# Altium PCB TI_PCB.PcbDoc
Units mm, origin at the board's own origin, x right, y up, seen from the top; angles counter-clockwise.
Board outline 184 x 161.42 mm, 2 copper layers (Top Layer, Bottom Layer); 95 components, 66 nets, 360 pads, 33 vias.
Unrouted connection lines stored in the file: 76.
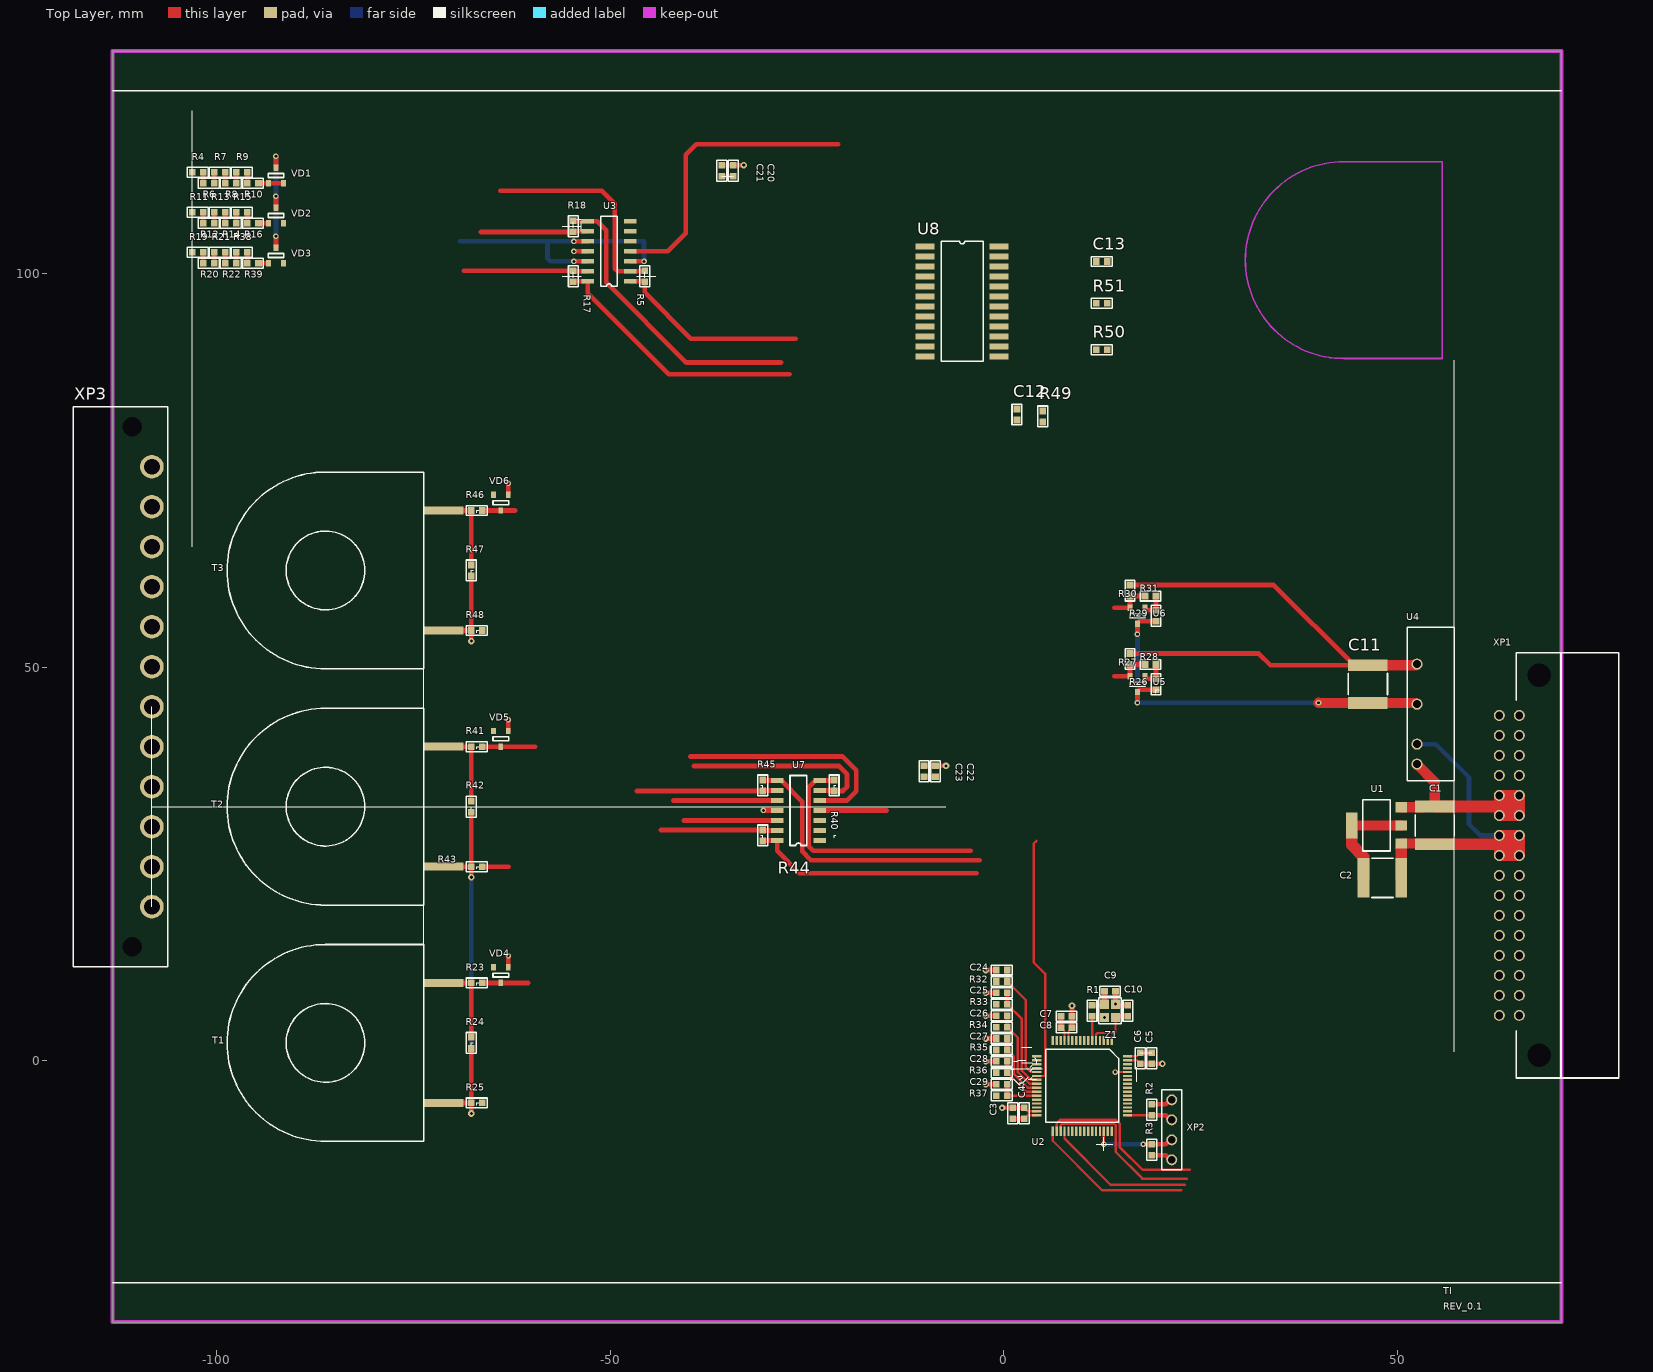
[diagram p0: Top Layer view]
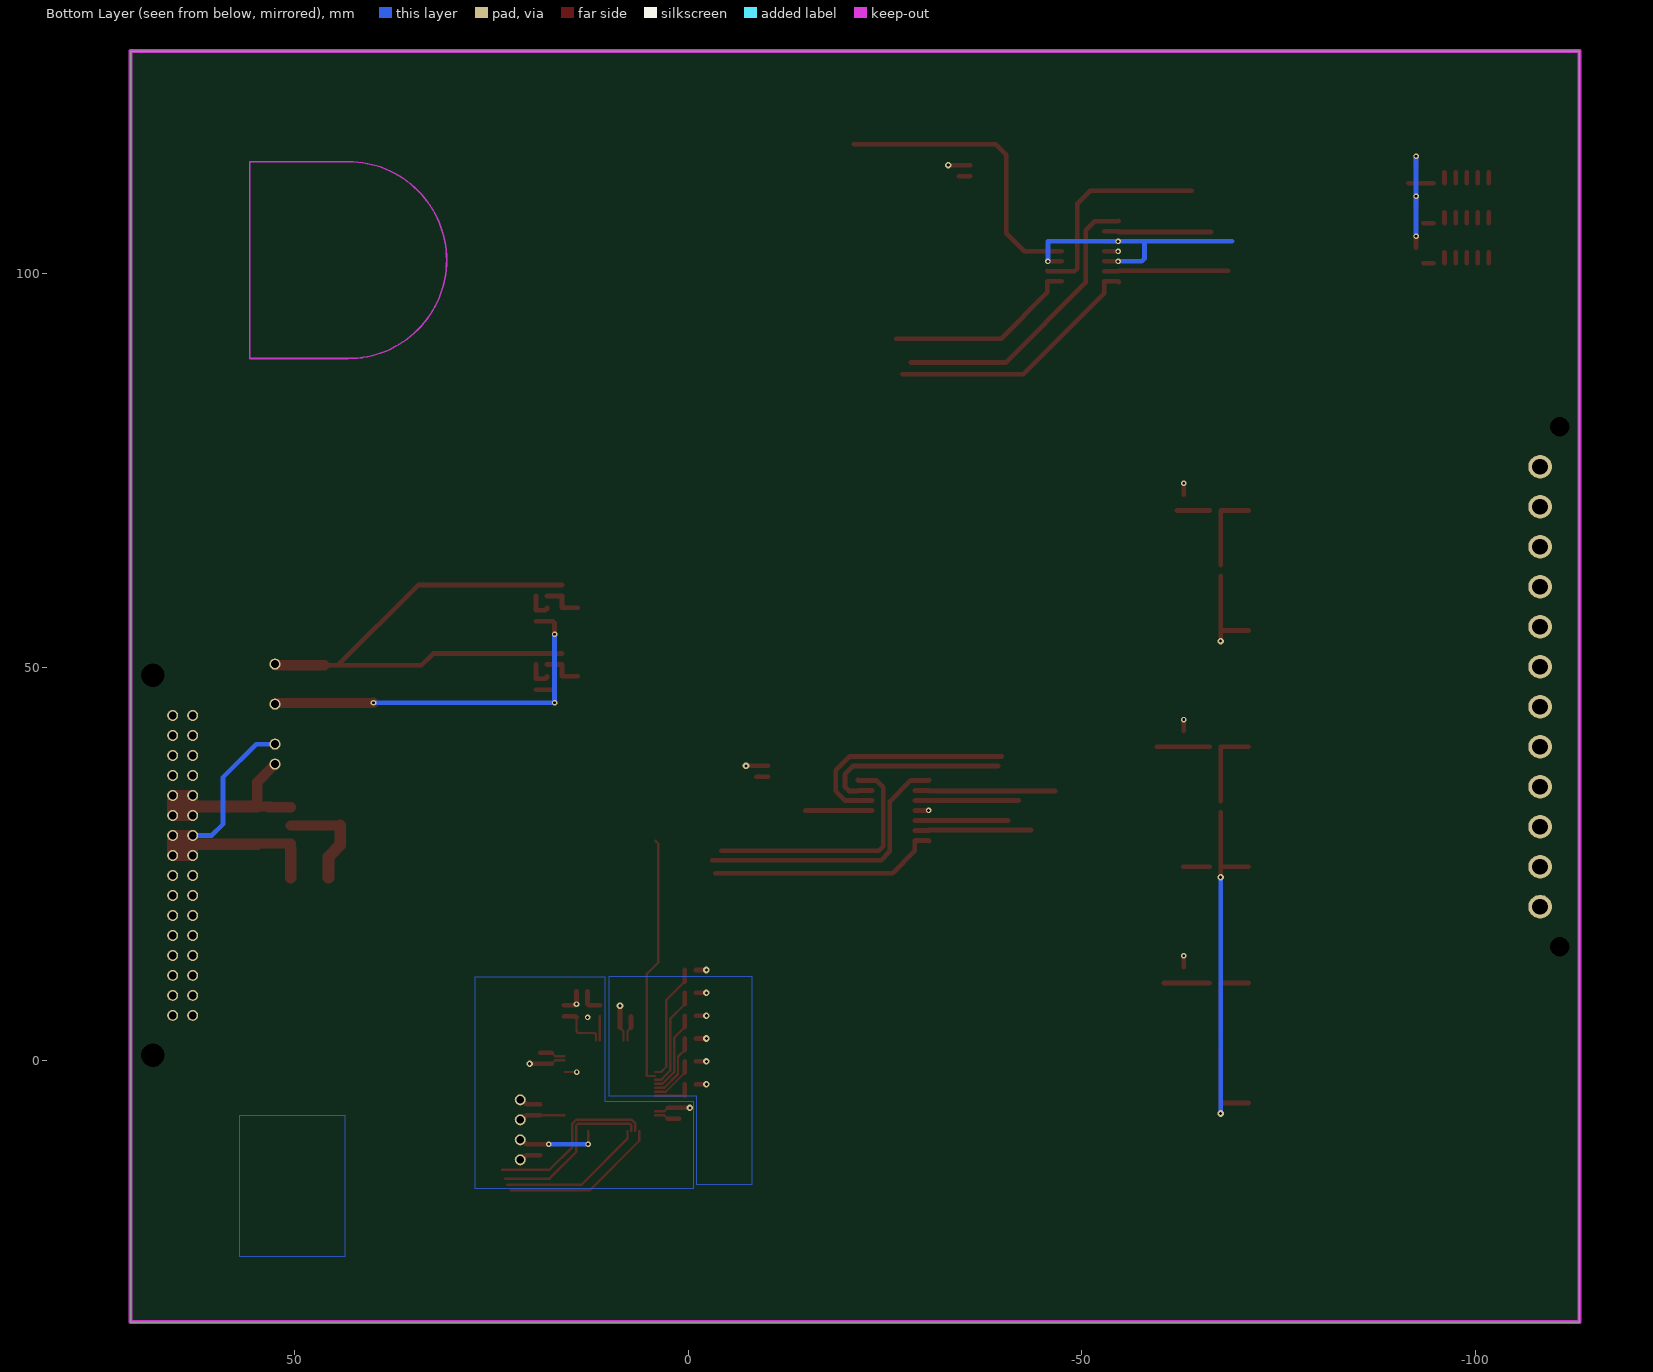
[diagram p1: Bottom Layer view, seen from below]

## Layer stack, top to bottom
Top Solder: solder mask 0.0102, Solder Resist, Dk 3.5
Top Layer: signal copper 0.0356
Dielectric 1: dielectric 0.32, FR-4, Dk 4.8
Bottom Layer: signal copper 0.0356
Bottom Solder: solder mask 0.0102, Solder Resist, Dk 3.5

## Board outline
-113.196,-33.195 -113.196,128.227 70.804,128.227 70.804,-32.045 70.804,-33.195

## Design rules (kind name [scope] priority, off if disabled: settings)
BoardOutlineClearance [All] p1: gap=0.3 ignorepadtopadclearanceinfootprint=FALSE
Clearance Clearance_MultiLayerPad [OnLayer('Multi-Layer') and IsPad] p1: gap=0.2 ignorepadtopadclearanceinfootprint=FALSE except(0: Arc-Hole Track-Hole SMDPad-Hole THPad-Hole Via-Hole Fill-Hole Poly-Hole Region-Hole Text-Hole)
Clearance Clearance_Polygon [InPolygon] p2: gap=0.4 ignorepadtopadclearanceinfootprint=FALSE except(0: Arc-Hole Track-Hole SMDPad-Hole THPad-Hole Via-Hole Fill-Hole Poly-Hole Region-Hole Text-Hole)
Clearance [All] p3: gap=0.2 ignorepadtopadclearanceinfootprint=FALSE
ComponentClearance [All] p1: gap=0 collisioncheckmode=3 verticalgap=0 showdistances=FALSE
DiffPairsRouting [All] p1: maxlimit=0.3 minlimit=0.1 mostfreqgap=0.15 toplayer_minwidth=0.1 toplayer_maxwidth=0.3 toplayer_prefwidth=0.15 bottomlayer_minwidth=0.1 bottomlayer_maxwidth=0.3 bottomlayer_prefwidth=0.15 maxuncoupledlength=12.7
Height [All] p1: minheight=0 maxheight=50 prefheight=12.7
HoleSize [All] p1: absolutevalues=TRUE maxlimit=10 minlimit=0.3 maxpercent=80.000 minpercent=20.000
HoleToHoleClearance [All] p1: gap=0.3 allowstackedmicrovias=TRUE
MinimumSolderMaskSliver [All] p1: minsoldermaskwidth=0.2
PlaneClearance [All] p1: clearance=0.5
PlaneConnect [All] p1: planeconnectstyle=Relief reliefexpansion=0.5 reliefentries=4 reliefconductorwidth=0.2 reliefairgap=0.2
PolygonConnect PolygonConnect_PadGND [InNet('GND') and IsPad] p1: connectstyle=Relief reliefconductorwidth=0.2 reliefentries=4 polygonreliefangle="90 Angle" airgapwidth=0.2
PolygonConnect PolygonConnect_Via [IsVia] p2: connectstyle=Direct reliefconductorwidth=0.254 reliefentries=4 polygonreliefangle="90 Angle" airgapwidth=0.254
PolygonConnect [All] p3: connectstyle=Relief reliefconductorwidth=0.2 reliefentries=4 polygonreliefangle="90 Angle" airgapwidth=0.2
RoutingVias [All] p1: holewidth=0.2 width=0.4 viastyle="Through Hole" minholewidth=0.2 minwidth=0.4 maxholewidth=0.5 maxwidth=1.2
SilkToSolderMaskClearance [IsPad] p1: minsilkscreentomaskgap=0.2 clearancetoexposedcopper=TRUE
SolderMaskExpansion [All] p1: expansion=0.075 istentingtop=FALSE
Width [All] p1: maxlimit=10 minlimit=0.1 preferedwidth=0.1
21 further rules are at their usual default settings.

## Classes and differential pairs
component class U_TI_FREQ: C13 R50 R51 U8
component class U_TI_ADC_CURRENT: C12 R23 R24 R25 R40 R41 R42 R43 R44 R45 R46 R47 R48 R49 T1 T2 T3 U7 VD4 VD5 VD6
component class U_TI_POW: C1 C2 C3 C4 C5 C6 C7 C8 C11 C20 C21 C22 C23 R26 R27 R28 R29 R30 R31 U1 U4 U5 U6 XP1
component class U_TI_MCU: C9 C10 C24 C25 C26 C27 C28 C29 R1 R2 R3 R32 R33 R34 R35 R36 R37 R? U2 XP2 Z1 Z?
component class U_TI_ADC_VOLTAGE: R4 R5 R6 R7 R8 R9 R10 R11 R12 R13 R14 R15 R16 R17 R18 R19 R20 R21 R22 R38 R39 R? U3 VD1 VD2 VD3 XP3

## Components (designator, comment, footprint, x,y, rotation, side; value= is the part's Value field where it differs from the comment)
C1 "Cap_2220" "CAP: 2220" 54.725,27.496 r180 top value=10μF
C2 "Cap_2220" "CAP: 2220" 50.475,23.246 r270 top value=10μF
C3 "Cap_0603" "CAP: 0603" 1.132,-6.673 r270 top value=4.7μF
C4 "Cap_0603" "CAP: 0603" 2.582,-6.673 r270 top value=0.1μF
C5 "Cap_0603" "CAP: 0603" 18.782,0.327 r90 top value=4.7μF
C6 "Cap_0603" "CAP: 0603" 17.332,0.327 r90 top value=0.1μF
C7 "Cap_0603" "CAP: 0603" 7.957,5.652 r180 top value=1μF
C8 "Cap_0603" "CAP: 0603" 7.957,4.202 r180 top value=0.01μF
C9 "Cap_0603" "CAP: 0603" 13.482,8.827 r180 top value=20pF
C10 "Cap_0603" "CAP: 0603" 15.757,6.352 r90 top value=20pF
C11 "Cap_2220" "CAP: 2220" 46.225,50.236 r0 top value=10μF
C12 "Cap_0603" "CAP: 0603" 1.665,82.085 r90 top value=??μF
C13 "Cap_0603" "CAP: 0603" 12.448,101.514 r180 top value=??μF
C20 "Cap_0603" "CAP: 0603" -34.382,113.053 r270 top value=1μF
C21 "Cap_0603" "CAP: 0603" -35.832,113.053 r270 top value=0.01μF
C22 "Cap_0603" "CAP: 0603" -8.69,36.762 r270 top value=1μF
C23 "Cap_0603" "CAP: 0603" -10.14,36.762 r270 top value=0.01μF
C24 "Cap_0603" "CAP: 0603" -0.26,11.527 r0 top value=??μF
C25 "Cap_0603" "CAP: 0603" -0.26,8.627 r0 top value=??μF
C26 "Cap_0603" "CAP: 0603" -0.26,5.727 r0 top value=??μF
C27 "Cap_0603" "CAP: 0603" -0.26,2.827 r0 top value=??μF
C28 "Cap_0603" "CAP: 0603" -0.26,-0.073 r0 top value=??μF
C29 "Cap_0603" "CAP: 0603" -0.26,-2.973 r0 top value=??μF
R1 "Resistor_0603" "RES: 0603" 11.207,6.352 r270 top value=390
R2 "Resistor_0603" "RES: 0603" 18.782,-6.223 r270 top value=10K
R3 "Resistor_0603" "RES: 0603" 18.782,-11.303 r270 top value=10K
R4 "Resistor_0603" "RES: 0603" -102.371,112.838 r0 top value=158K
R5 "Resistor_0603" "RES: 0603" -45.618,99.626 r270 top value=2.49K
R6 "Resistor_0603" "RES: 0603" -100.971,111.438 r0 top value=158K
R7 "Resistor_0603" "RES: 0603" -99.571,112.838 r0 top value=158K
R8 "Resistor_0603" "RES: 0603" -98.171,111.438 r0 top value=158K
R9 "Resistor_0603" "RES: 0603" -96.771,112.838 r0 top value=63.4K
R10 "Resistor_0603" "RES: 0603" -95.371,111.438 r0 top value=63.4K
R11 "Resistor_0603" "RES: 0603" -102.371,107.758 r0 top value=158K
R12 "Resistor_0603" "RES: 0603" -100.971,106.358 r0 top value=158K
R13 "Resistor_0603" "RES: 0603" -99.571,107.758 r0 top value=158K
R14 "Resistor_0603" "RES: 0603" -98.171,106.358 r0 top value=158K
R15 "Resistor_0603" "RES: 0603" -96.771,107.758 r0 top value=63.4K
R16 "Resistor_0603" "RES: 0603" -95.371,106.358 r0 top value=63.4K
R17 "Resistor_0603" "RES: 0603" -54.668,99.626 r270 top value=2.49K
R18 "Resistor_0603" "RES: 0603" -54.668,105.976 r270 top value=2.49K
R19 "Resistor_0603" "RES: 0603" -102.371,102.678 r0 top value=158K
R20 "Resistor_0603" "RES: 0603" -100.971,101.278 r0 top value=158K
R21 "Resistor_0603" "RES: 0603" -99.571,102.678 r0 top value=158K
R22 "Resistor_0603" "RES: 0603" -98.171,101.278 r0 top value=158K
R23 "Resistor_0603" "RES: 0603" -66.928,9.896 r0 top value=330R
R24 "Resistor_0603" "RES: 0603" -67.628,2.276 r90 top value=15R
R25 "Resistor_0603" "RES: 0603" -66.928,-5.344 r0 top value=7.87K
R26 "Resistor_0603" "RES: 0603" 19.325,47.828 r270 top value=3.3K
R27 "Resistor_0603" "RES: 0603" 18.625,50.328 r0 top value=6.2K
R28 "Resistor_0603" "RES: 0603" 16.025,51.028 r90 top value=62R
R29 "Resistor_0603" "RES: 0603" 19.325,56.524 r270 top value=2.7K
R30 "Resistor_0603" "RES: 0603" 18.625,59.024 r0 top value=6.2K
R31 "Resistor_0603" "RES: 0603" 16.025,59.724 r90 top value=62R
R32 "Resistor_0603" "RES: 0603" -0.26,10.077 r0 top value=100R
R33 "Resistor_0603" "RES: 0603" -0.26,7.177 r0 top value=100R
R34 "Resistor_0603" "RES: 0603" -0.26,4.277 r0 top value=100R
R35 "Resistor_0603" "RES: 0603" -0.26,1.377 r0 top value=100R
R36 "Resistor_0603" "RES: 0603" -0.26,-1.523 r0 top value=100R
R37 "Resistor_0603" "RES: 0603" -0.26,-4.423 r0 top value=100R
R38 "Resistor_0603" "RES: 0603" -96.771,102.678 r0 top value=63.4K
R39 "Resistor_0603" "RES: 0603" -95.371,101.278 r0 top value=63.4K
R40 "Resistor_0603" "RES: 0603" -21.564,34.97 r270 top value=60.4K
R41 "Resistor_0603" "RES: 0603" -66.928,39.896 r0 top value=330R
R42 "Resistor_0603" "RES: 0603" -67.628,32.276 r90 top value=15R
R43 "Resistor_0603" "RES: 0603" -66.928,24.656 r0 top value=7.87K
R44 "Resistor_0603" "RES: 0603" -30.614,28.62 r270 top value=60.4K
R45 "Resistor_0603" "RES: 0603" -30.614,34.97 r270 top value=60.4K
R46 "Resistor_0603" "RES: 0603" -66.928,69.896 r0 top value=330R
R47 "Resistor_0603" "RES: 0603" -67.628,62.276 r90 top value=15R
R48 "Resistor_0603" "RES: 0603" -66.928,54.656 r0 top value=7.87K
R49 "Resistor_0603" "RES: 0603" 4.928,81.838 r90 top value=100K
R50 "Resistor_0603" "RES: 0603" 12.448,90.314 r180 top value=430R
R51 "Resistor_0603" "RES: 0603" 12.448,96.214 r180 top value=430R
T1 "AC-1005" AC-1005 -86.153,2.276 r90 top
T2 "AC-1005" AC-1005 -86.153,32.276 r90 top
T3 "AC-1005" AC-1005 -86.153,62.276 r90 top
U1 "MCP600LD1117S33CTR4" SOT-223-3 47.325,29.896 r90 top
U2 "STM32F030R8T6TR" LQFP-64 9.957,-3.173 r270 top
U3 "MCP6004" SOIC-14 -50.143,102.801 r180 top
U4 "AM1D-0505SZ" AM1D-0505SZ 54.22,45.296 r180 top
U5 "TLVH431BIL3T" SOT-23-3 16.975,47.828 r180 top
U6 "TLVH431BIL3T" SOT-23-3 16.975,56.524 r180 top
U7 "MCP6004" SOIC-14 -26.089,31.795 r180 top
U8 "CD74HC4067M96" SOIC-24 -5.297,96.447 r0 top
VD1 "BAV99" SOT-23-3 -92.446,112.438 r0 top
VD2 "BAV99" SOT-23-3 -92.446,107.358 r0 top
VD3 "BAV99" SOT-23-3 -92.446,102.278 r0 top
VD4 "BAV99" SOT-23-3 -63.878,10.896 r180 top
VD5 "BAV99" SOT-23-3 -63.878,40.896 r180 top
VD6 "BAV99" SOT-23-3 -63.878,70.896 r180 top
XP1 "DS1118-32M-R23" DS1118-32M-R23 65.465,5.766 r90 top
XP2 "PLS-6 (DS1021-1x6)" "PLS-4 (DS1021-1x4)" 21.327,-8.763 r0 top
XP3 "PLS-6 (DS1MSTB 2,5/12-GF-5,08021-1x6)" "MSTB 2,5/12-GF-5,08" -112.195,47.516 r0 top
Z1 "ECS-320-10-36B2-CTN-TR" "OSC: 2520" 14.182,5.502 r90 top value=32MHz

## Footprints (in the part's own frame and the unit in brackets; to place one, negate y for a bottom-side part, rotate by r counter-clockwise, add the part's x,y. Pads: shape width x height; smd on the part's side, far side on the other; paste and mask are expansions set on the pad)
AC-1005 [mm] "AC-1005"
  rect 1x5 smd: 1(-7.62,-15) 2(7.62,-15)
  silkscreen extent -12.5,-12.5 12.5,12.5, body extent -11.91,-17.5 11.91,11.93, height 9.8
AM1D-0505SZ [mm] "AM1D-0505SZ"
  round 1.4 hole 1: 1(1.745,7.62) 2(1.745,5.08) 3(1.745,0) 4(1.745,-5.08)
  silkscreen extent -3.01,-9.75 3,9.75, body extent -3.01,-9.75 3.01,9.75, height 10.01
"CAP: 0603" [mm]
  rect 0.85x0.85 smd: 1(-0.7,0) 2(0.7,0)
  silkscreen extent -1.33,-0.63 1.33,0.63, body extent -0.8,-0.4 0.8,0.4, height 0.3
"CAP: 2220" [mm]
  rect 5x1.5 smd: 1(0,0) 2(0,-4.8)
  silkscreen extent -2.5,-3.75 2.5,-1, body extent -2.5,-5.25 2.5,0.45, height 2.3
DS1118-32M-R23 [mm] "DS1118-32M-R23"
  round 1.4 hole 1: 1(0,0) 2(2.54,0) 3(5.08,0) 4(7.62,0) 5(10.16,0) 6(12.7,0) 7(15.24,0) 8(17.78,0) 9(20.32,0) 10(22.86,0) 11(25.4,0) 12(27.94,0) 13(30.48,0) 14(33.02,0) 15(35.56,0) 16(38.1,0) 17(38.1,2.54) 18(35.56,2.54) 19(33.02,2.54) 20(30.48,2.54) 21(27.94,2.54) 22(25.4,2.54) 23(22.86,2.54) 24(20.32,2.54) 25(17.78,2.54) 26(15.24,2.54) 27(12.7,2.54) 28(10.16,2.54) 29(7.62,2.54) 30(5.08,2.54) 31(2.54,2.54) 32(0,2.54)
  round 2 hole 3: ""(-5.08,-2.54) ""(43.18,-2.54)
  silkscreen extent -7.95,-12.64 46.05,0.36, body extent -7.95,-12.64 46.05,2.84, height 6.87
LQFP-64 [mm] "LQFP-64"
  rect 1.2x0.3 smd: 1(-5.75,3.75) 2(-5.75,3.25) 3(-5.75,2.75) 4(-5.75,2.25) 5(-5.75,1.75) 6(-5.75,1.25) 7(-5.75,0.75) 8(-5.75,0.25) 9(-5.75,-0.25) 10(-5.75,-0.75) 11(-5.75,-1.25) 12(-5.75,-1.75) 13(-5.75,-2.25) 14(-5.75,-2.75) 15(-5.75,-3.25) 16(-5.75,-3.75) 33(5.75,-3.75) 34(5.75,-3.25) 35(5.75,-2.75) 36(5.75,-2.25) 37(5.75,-1.75) 38(5.75,-1.25) 39(5.75,-0.75) 40(5.75,-0.25) 41(5.75,0.25) 42(5.75,0.75) 43(5.75,1.25) 44(5.75,1.75) 45(5.75,2.25) 46(5.75,2.75) 47(5.75,3.25) 48(5.75,3.75)
  rect 0.3x1.2 smd: 17(-3.75,-5.75) 18(-3.25,-5.75) 19(-2.75,-5.75) 20(-2.25,-5.75) 21(-1.75,-5.75) 22(-1.25,-5.75) 23(-0.75,-5.75) 24(-0.25,-5.75) 25(0.25,-5.75) 26(0.75,-5.75) 27(1.25,-5.75) 28(1.75,-5.75) 29(2.25,-5.75) 30(2.75,-5.75) 31(3.25,-5.75) 32(3.75,-5.75) 49(3.75,5.75) 50(3.25,5.75) 51(2.75,5.75) 52(2.25,5.75) 53(1.75,5.75) 54(1.25,5.75) 55(0.75,5.75) 56(0.25,5.75) 57(-0.25,5.75) 58(-0.75,5.75) 59(-1.25,5.75) 60(-1.75,5.75) 61(-2.25,5.75) 62(-2.75,5.75) 63(-3.25,5.75) 64(-3.75,5.75)
  silkscreen extent -4.61,-4.61 4.61,4.61, body extent -6,-6 6,6, height 1.61
"MSTB 2,5/12-GF-5,08" [mm] "MSTB 2,5/12-GF-5,08"
  round 3 hole 2: 1(3.999,27.94) 2(3.999,22.86) 3(3.999,17.78) 4(3.999,12.7) 5(3.999,7.62) 6(3.999,2.54) 7(3.999,-2.54) 8(3.999,-7.62) 9(3.999,-12.7) 10(3.999,-17.78) 11(3.999,-22.86) 12(3.999,-27.94)
  round 0 hole 2.5: ""(1.499,-33.02) ""(1.499,33.02)
  silkscreen extent -6,-35.56 6,35.56, body extent -6,-35.56 6,35.56, height 9.11
"OSC: 2520" [mm]
  rect 1.2x1.1 smd: 1(0,0) 2(1.7,0) 3(1.7,1.4) 4(0,1.4)
  round 0.5 on Mech1: 5(-0.075,0.025)
  round 0.5 on Top Overlay: ""(-1.275,-0.6)
  silkscreen extent -0.8,-0.75 2.5,2.15, body extent -0.45,-0.35 2.15,1.75, height 0.55
"PLS-4 (DS1021-1x4)" [mm] "PLS-4 (DS1021-1x4)"
  round 1.4 hole 1: 1(0,3.81) 2(0,1.27) 3(0,-1.27) 4(0,-3.81)
  silkscreen extent -1.27,-5.08 1.27,5.08, body extent -1.27,-5.08 1.27,5.08, height 8.61
"RES: 0603" [mm]
  rect 0.85x0.85 smd: 1(-0.7,0) 2(0.7,0)
  silkscreen extent -1.33,-0.63 1.33,0.63, body extent -0.8,-0.4 0.8,0.4, height 0.44
SOIC-14 [mm] "SOIC-14"
  rect 1.6x0.6 smd: 1(-2.7,3.81) 2(-2.7,2.54) 3(-2.7,1.27) 4(-2.7,0) 5(-2.7,-1.27) 6(-2.7,-2.54) 7(-2.7,-3.81) 8(2.7,-3.81) 9(2.7,-2.54) 10(2.7,-1.27) 11(2.7,0) 12(2.7,1.27) 13(2.7,2.54) 14(2.7,3.81)
  silkscreen extent -1.07,-4.44 1.07,4.44, body extent -3,-4.33 3,4.33, height 1.75
SOIC-24 [mm] "SOIC-24"
  rect 2.4x0.8 smd: 1(-4.7,6.985) 2(-4.7,5.715) 3(-4.7,4.445) 4(-4.7,3.175) 5(-4.7,1.905) 6(-4.7,0.635) 7(-4.7,-0.635) 8(-4.7,-1.905) 9(-4.7,-3.175) 10(-4.7,-4.445) 11(-4.7,-5.715) 12(-4.7,-6.985) 13(4.7,-6.985) 14(4.7,-5.715) 15(4.7,-4.445) 16(4.7,-3.175) 17(4.7,-1.905) 18(4.7,-0.635) 19(4.7,0.635) 20(4.7,1.905) 21(4.7,3.175) 22(4.7,4.445) 23(4.7,5.715) 24(4.7,6.985)
  silkscreen extent -2.67,-7.62 2.66,7.62, body extent -5.15,-7.7 5.15,7.7, height 2.66
SOT-23-3 [mm] "SOT-23-3"
  rect 0.6x0.8 smd: 1(-0.95,-1) 2(0.95,-1) 3(0,1)
  silkscreen extent -1,-0.25 1,0.25, body extent -1.45,-1.25 1.45,1.15, height 0.96
SOT-223-3 [mm] "SOT-223-3"
  rect 1.3x1.5 smd: 1(-2.3,-3.15) 2(0,-3.15) 3(2.3,-3.15)
  rect 3.3x1.5 smd: 4(0,3.15)
  silkscreen extent -3.25,-1.75 3.25,1.75, body extent -3.25,-3.5 3.25,3.5, height 1.81

## Part data
C1 C2 C11: Package/Case=2220, Temperature=-55...+125°C(-55...+85°C), TypeDielectric=X7R(X5R), Voltage=16V, Product Category=Capacitors
C3 C5: Package/Case=0603, Temperature=-55...+125°C(-55...+85°C), TypeDielectric=X7R(X5R), Voltage=25V, Product Category=Capacitors
C4 C6 C7 C20 C22: Package/Case=0603, Temperature=-55...+125°C(-55...+85°C), TypeDielectric=X7R(X5R), Voltage=16V, Product Category=Capacitors
C8 C9 C10 C21 C23: Package/Case=0603, Temperature=-55...+125°C(-55...+85°C), TypeDielectric=X7R(X5R), Voltage=50V, Product Category=Capacitors
C12 C13 C24 C25 C26 C27 C28 C29: Package/Case=0603, Temperature=-55...+125°C(-55...+85°C), TypeDielectric=X7R(X5R), Voltage=??V, Product Category=Capacitors
R1 R2 R3: Package/Case=0603, Power=0.1W, Temperature=-55...+125°C, Tolerance=±1%, Product Category=Resistors
R4 R5 R6 R7 R8 R9 R10 R11 R12 R13 R14 R15 R16 R17 R18 R19 R20 R21 R22 R23 R24 R25 R26 R27 R28 R29 R30 R31 R32 R33 R34 R35 R36 R37 R38 R39 R40 R41 R42 R43 R44 R45 R46 R47 R48 R49 R50 R51: Package/Case=0603, Power=0.1W, Temperature=-55...+125°C, Tolerance=±5%, Product Category=Resistors
T1 T2 T3: "Current Transformer, primary current: 5A", Manufacturer=Talema, Analogue=CST-1005(https://eu.mouser.com/datasheet/2/410/CST_1005-1892657.pdf), Datasheet=https://static.chipdip.ru/lib/884/DOC003884697.pdf, HelpURL=https://www.chipdip.ru/product/ac-1005, Product Category="Current Transformers"
U1: library part LD1117S33CTR, "LDO Voltage Regulator 3.3V 0.8A Positive", Manufacturer=STMicroelectronics, Package/Case=SOT-223-3, Datasheet=https://eu.mouser.com/datasheet/2/389/cd00000544-1795431.pdf, HelpURL=https://eu.mouser.com/ProductDetail/STMicroelectronics/LD1117S33CTR?qs=8u%2FLf1IQwKF9meFZLHfRog%3D%3D, Product Category="Voltage Regulators"
U2: "MCU Mainstream Arm Cortex-M0 Value line MCU 64 Kbytes of Flash , 48 MHz CPU", Manufacturer=STMicroelectronics, Package/Case=LQFP-64, Datasheet=https://www.st.com/resource/en/datasheet/stm32f030r8.pdf, HelpURL=https://eu.mouser.com/ProductDetail/STMicroelectronics/STM32F030R8T6TR?qs=s5SkPsIz10%252B%252B1w15QiyTpQ%3D%3D, Product Category=Microcontrollers
U3 U7: "1 MHz, Low-Power Op Amp", Manufacturer=Microchip, Package/Case=SOIC-14, Datasheet=https://eu.mouser.com/ProductDetail/Microchip-Technology-Atmel/MCP6004-I-SL?qs=n%2FfJlMG9rCZ2%2F%2FCryvZ52w%3D%3D, HelpURL=https://eu.mouser.com/ProductDetail/Microchip-Technology-Atmel/MCP6004-I-SL?qs=n%2FfJlMG9rCZ2%2F%2FCryvZ52w%3D%3D, Product Category="Operational Amplifiers"
U4: "DC-DC, 5V, 0.2A", Manufacturer=Aimtec, Package/Case=SIP, Datasheet=https://static.chipdip.ru/lib/744/DOC014744931.pdf, HelpURL=https://www.chipdip.by/product/am1d-0505sz, Product Category="Voltage Regulators"
U5 U6: "Voltage References 1.24V to 18V Prog Shunt Ref 100uA 60mA", Manufacturer=STMicroelectronics, Package/Case=SOT-23, Datasheet=https://eu.mouser.com/datasheet/2/389/dm00057412-1797844.pdf, HelpURL=https://eu.mouser.com/ProductDetail/STMicroelectronics/TLVH431BIL3T?qs=NC%2FuX8ipg1S4rbg4USQCPA%3D%3D, Product Category="Voltage References"
U8: "1 MHz, Low-Power Op Amp", Manufacturer="Texas Instruments", Package/Case=SOIC-24, Datasheet=https://www.ti.com/general/docs/suppproductinfo.tsp?distId=26&gotoUrl=https://www.ti.com/lit/gpn/cd74hct4067, HelpURL=https://eu.mouser.com/ProductDetail/Texas-Instruments/CD74HC4067M96?qs=xFfolx0DHx0XT7d9xTTZBA%3D%3D, Product Category=Multiplexers
VD1 VD2 VD3 VD4 VD5 VD6: "High-speed switching diode", Manufacturer=Nexperia, Package/Case=SOT-23, Datasheet=https://eu.mouser.com/datasheet/2/916/BAV99_SER-1370693.pdf, HelpURL=https://eu.mouser.com/ProductDetail/Nexperia/BAV99235?qs=me8TqzrmIYWUP4h8SbZlfQ%3D%3D, Product Category=Diodes
XP1: "DIN 41612 Connector", Manufacturer=Connfly, Analogue="HARTING 09221326951(https://eu.mouser.com/ProductDetail/HARTING/09221326951?qs=Afqhj6cPmO9f0oVZo6yWiA%3D%3D)", Datasheet=http://en.connfly.group/static/upload/file/pdf/DS1118.pdf, HelpURL=https://www.chipdip.by/product/din41612r-ds1118-32m-r23, Product Category=Connectors
XP2: library part "PLS-4 (DS1021-1x4)", "Board to Board, Surface Mount, Single row, 6 Positions, 2.54mm, Vertical.", Manufacturer=Connfly, Datasheet=https://static.chipdip.ru/lib/977/DOC005977245.pdf, HelpURL=https://www.chipdip.by/product/pls-4, Product Category=Connectors
XP3: library part "MSTB 2,5/12-GF-5,08", "Surface Mount, Single row, 12 Positions, 5.08mm", Manufacturer="Phoenix contact", Datasheet=https://www.phoenixcontact.com/ru-pc/produkty/korpusnaa-cast-dla-pecatnyh-plat-mstb-25-12-gf-508-1776605, HelpURL=https://www.phoenixcontact.com/ru-pc/produkty/korpusnaa-cast-dla-pecatnyh-plat-mstb-25-12-gf-508-1776605, Product Category=Connectors
Z1: "Crystal 32.000 MHz 10 pF +/-10 +/-20 -40 +85 C +/-2 ppm Max.", Manufacturer=ECS, Package/Case=2520, Temperature=-40...+85°C, Datasheet=https://eu.mouser.com/datasheet/2/122/ECX_2236B2-2400583.pdf, HelpURL=https://eu.mouser.com/ProductDetail/ECS/ECS-320-10-36B2-CTN-TR?qs=QNEnbhJQKvbusIFiAH6chw%3D%3D, Product Category=Crystals

## Via types
v1: diameter 0.7, hole 0.35, Top Layer to Bottom Layer, tented both sides, 19 vias
v2: diameter 0.85, hole 0.4, Top Layer to Bottom Layer, tented both sides, 14 vias

## Nets (pads, with @x,y where several pads share a name; then routed paths per layer and width w, separated by ;. In a path a pad name is that pad's centre, name@x,y a point inside that pad or via, vN(x,y) a via of type N, cw(c..) or ccw(c..) an arc to the next point about the centre after c; other vN are vias at no path point)
+1V65_ANALOG: R30.1 R31.1 U6.2 | length 5.4
  Top Layer w0.6: 14.006,57.524 U6.2 R31.1 R30.1
+3V3: C2.2 C3.2 C4.2 C5.2 C6.2 R3.2 U1.2 U1.4 U2.1 U2.7 U2.32 U2.64 XP2.4 | length 22.9
  Top Layer w0.3: C4.2 3.032,-6.923 U2.32 ; U2.64 16.882,0.577 C6.2
  Top Layer w0.6: C3.2 C4.2 ; C6.2 C5.2 ; R3.2 20.54,-12.003 21.11,-12.573 XP2.4
  Top Layer w1.3: U1.4 U1.2
  Top Layer w1.5: U1.4 44.175,27.425 45.675,25.925 C2.2
+3V3_ANALOG: C7.2 C8.2 C20.2 C21.2 C22.2 C23.2 R27.1 R28.1 U2.13 U3.4 U5.2 U7.4 U8.24 VD4.2 VD5.2 VD6.2 | length 58
  Top Layer w0.3: C8.2 7.707,3.752 U2.13
  Top Layer w0.6: U3.4 -42.681,102.801 -40.403,105.079 -40.403,115.057 -39.037,116.423 -21.015,116.423 ; C21.2 C20.2 ; U7.4 -14.855,31.795 ; C23.2 C22.2 ; C8.2 C7.2 ; 14.006,48.828 U5.2 R28.1 R27.1
+5V: C1.2 U1.3 U4.1 XP1.11 XP1.12 XP1.21 XP1.22 | length 29.1
  Top Layer w1.3: U1.3 C1.2@53.246,32.196 ; U4.1 52.475,37.649 54.725,35.399 C1.2 C1.2@52.975,32.296
  Top Layer w1.4: XP1.22 XP1.21 XP1.12 XP1.11 XP1.22
  Top Layer w1.5: C1.2 62.785,32.296
+5V_ANALOG: C11.1 R28.2 R31.2 U4.4 | length 69.8
  Top Layer w0.6: R28.2 32.375,51.728 33.868,50.236 C11.1@44.475,50.236 ; R31.2 34.287,60.424 C11.1@44.475,50.236 ; C11.1 C11.1@44.475,50.236
  Top Layer w1.3: C11.1 52.308,50.236 52.448,50.376 U4.4
ADC_IN2: U2.16
ADC_IN5: C24.2 R32.2 U2.21 | length 14.9
  Top Layer w0.3: R32.2 2.789,7.728 2.789,-0.75 3.462,-1.423 U2.21
  Top Layer w0.6: R32.2 C24.2
ADC_IN7: C25.2 R33.2 U2.23 | length 13
  Top Layer w0.3: R33.2 2.289,5.328 2.289,-1.25 2.876,-1.837 3.462,-2.423 U2.23
  Top Layer w0.6: R33.2 C25.2
ADC_IN8: C28.2 R36.2 U2.26 | length 6.2
  Top Layer w0.3: R36.2 2.84,-3.923 U2.26
  Top Layer w0.6: R36.2 C28.2
ADC_IN9: C29.2 R37.2 U2.27 | length 5.2
  Top Layer w0.3: R37.2 U2.27
  Top Layer w0.6: R37.2 C29.2
ADC_IN14: C26.2 R34.2 U2.24 | length 10.8
  Top Layer w0.3: R34.2 1.789,2.928 1.789,-1.458 3.254,-2.923 U2.24
  Top Layer w0.6: R34.2 C26.2
ADC_IN15: C27.2 R35.2 U2.25 | length 8.5
  Top Layer w0.3: R35.2 1.289,0.528 1.289,-1.665 3.047,-3.423 U2.25
  Top Layer w0.6: R35.2 C27.2
CURRENT_IN_B+: R46.2 U7.5 VD6.3 | length 33.7
  Top Layer w0.6: R46.2 -62.048,69.896 ; -39.802,38.655 -20.522,38.655 -18.745,36.879 -18.745,34.235 -19.916,33.065 U7.5
CURRENT_IN_B-: R40.2 R48.2 U7.6 | length 25.2
  Top Layer w0.6: -39.389,37.435 -20.934,37.435 -19.905,36.406 -19.905,34.805 -20.44,34.27 R40.2 -21.629,34.335 U7.6
CURRENT_IN_C+: R41.2 U7.10 VD5.3 | length 19.9
  Top Layer w0.6: R41.2 VD5.3 -59.509,39.896 ; -41.996,33.065 U7.10
CURRENT_IN_C-: R43.2 R45.2 U7.9 | length 21.2
  Top Layer w0.6: R43.2 -62.881,24.656 ; -46.59,34.27 R45.2 -30.549,34.335 U7.9
CURRENT_IN_D+: R23.2 U7.12 VD4.3 | length 17.6
  Top Layer w0.6: R23.2 VD4.3 -60.428,9.896 ; -40.62,30.525 U7.12
CURRENT_IN_D-: R25.2 R44.1 U7.13 | length 14.7
  Top Layer w0.6: -43.558,29.32 R44.1 ; R44.1@-30.549,29.255 U7.13
GND: C1.1 C2.1 C3.1 C4.1 C5.1 C6.1 C9.1 C10.2 R2.1 U1.1 U2.31 U2.60 U2.63 U4.2 XP1.9 XP1.10 XP1.23 XP1.24 XP2.1 Z1.2 Z1.4 | length 61.8
  Top Layer w0.3: C4.1 3.032,-6.423 U2.31 ; v1(14.157,-1.423) U2.60 ; U2.63 16.882,0.077 C6.1
  Top Layer w0.6: v2(-0.218,-5.973) C3.1 C4.1 ; C9.1 v1(14.182,7.202) 14.332,7.052 C10.2 ; C6.1 C5.1 v2(20.132,-0.373) ; R2.1 20.54,-5.523 21.11,-4.953 XP2.1
  Top Layer w1.3: U1.1 54.625,27.596 C1.1
  Top Layer w1.4: XP1.24 XP1.9 XP1.10 XP1.23 XP1.24
  Top Layer w1.5: C2.1 50.475,26.946 ; C1.1 62.785,27.496
  Bottom Layer w0.6: U4.2 54.845,40.216 59.077,35.983 59.077,30.047 60.498,28.626 XP1.23
  other v1: 12.782,5.502
GND_ANALOG: C7.1 C8.1 C11.2 C13.2 C20.1 C21.1 C22.1 C23.1 C24.1 C25.1 C26.1 C27.1 C28.1 C29.1 R26.2 R29.2 U2.12 U3.11 U4.3 U5.3 U6.3 U7.11 U8.12 VD4.1 VD5.1 VD6.1 | length 78.2
  Top Layer w0.3: U2.12 8.207,3.752 C8.1
  Top Layer w0.6: VD4.1 v1(-62.928,13.346) ; VD5.1 v1(-62.928,43.346) ; VD6.1 v1(-62.928,73.346) ; v1(-54.593,102.801) U3.11 ; C21.1 C20.1 v2(-33.032,113.753) ; v1(-30.539,31.795) U7.11 ; C23.1 C22.1 v2(-7.34,37.462) ; v2(-2.31,-2.973) C29.1 ; v2(-2.31,-0.073) C28.1 ; v2(-2.31,2.827) C27.1 ; v2(-2.31,5.727) C26.1 ; v2(-2.31,8.627) C25.1 ; v2(-2.31,11.527) C24.1 ; C8.1 C7.1 v2(8.657,7.002) ; v1(16.975,45.478) U5.3 16.975,46.928 17.175,47.128 R26.2 ; v1(16.975,54.174) U6.3 16.975,55.624 17.175,55.824 R29.2
  Top Layer w1.3: v1(39.963,45.486) 40.014,45.436 C11.2 52.308,45.436 52.448,45.296 U4.3
  Bottom Layer w0.6: v1(16.975,54.174) v1(16.975,45.478) 16.979,45.482 39.96,45.482 v1(39.963,45.486)
NetC9_2: C9.2 R1.1 Z1.3 | length 3.3
  Top Layer w0.6: R1.1 12.632,7.052 Z1.3 C9.2
NetC12_2: C12.2 R49.1 R50.1 U7.3
NetC13_1: C13.1 R50.2 R51.1
NetR4_2: R4.2 R6.1 | length 1.4
  Top Layer w0.6: R6.1 R4.2
NetR5_2: R5.2 R32.1 U3.1 U8.2 | length 24.8
  Top Layer w0.6: U3.1 -45.683,98.991 R5.2 -45.618,97.601 -39.735,91.717 -26.433,91.717
NetR6_2: R6.2 R7.1 | length 1.4
  Top Layer w0.6: R6.2 R7.1
NetR7_2: R7.2 R8.1 | length 1.4
  Top Layer w0.6: R8.1 R7.2
NetR8_2: R8.2 R9.1 | length 1.4
  Top Layer w0.6: R8.2 R9.1
NetR9_2: R9.2 R10.1 | length 1.4
  Top Layer w0.6: R10.1 R9.2
NetR11_2: R11.2 R12.1 | length 1.4
  Top Layer w0.6: R12.1 R11.2
NetR12_2: R12.2 R13.1 | length 1.4
  Top Layer w0.6: R12.2 R13.1
NetR13_2: R13.2 R14.1 | length 1.4
  Top Layer w0.6: R14.1 R13.2
NetR14_2: R14.2 R15.1 | length 1.4
  Top Layer w0.6: R14.2 R15.1
NetR15_2: R15.2 R16.1 | length 1.4
  Top Layer w0.6: R16.1 R15.2
NetR17_2: R17.2 R33.1 U3.14 U8.3 | length 33.2
  Top Layer w0.6: R17.2 -54.603,98.991 U3.14 -52.843,97.495 -42.533,87.185 -27.23,87.185
NetR18_1: R18.1 R34.1 U3.8 U8.4 | length 37.7
  Top Layer w0.6: R18.1 -54.603,106.611 U3.8 -51.624,106.611 -50.48,105.467 -50.48,98.855 -40.31,88.686 -28.259,88.686
NetR19_2: R19.2 R20.1 | length 1.4
  Top Layer w0.6: R20.1 R19.2
NetR20_2: R20.2 R21.1 | length 1.4
  Top Layer w0.6: R20.2 R21.1
NetR21_2: R21.2 R22.1 | length 1.4
  Top Layer w0.6: R22.1 R21.2
NetR22_2: R22.2 R38.1 | length 1.4
  Top Layer w0.6: R22.2 R38.1
NetR23_1: R23.1 R24.2 T1.2 | length 10.4
  Top Layer w0.6: T1.2 R23.1 R24.2
NetR26_1: R26.1 R27.2 U5.1 | length 3.4
  Top Layer w0.6: U5.1 17.925,48.728 18.125,48.528 R26.1 R27.2
NetR29_1: R29.1 R30.2 U6.1 | length 3.4
  Top Layer w0.6: U6.1 17.925,57.424 18.125,57.224 R29.1 R30.2
NetR35_1: R35.1 R40.1 U7.7 | length 31.9
  Top Layer w0.6: R40.1 -21.629,35.605 U7.7 -23.889,35.605 -24.776,34.717 -24.776,27.228 -24.22,26.672 -4.212,26.672
NetR36_1: R36.1 R44.2 U7.14 | length 29.7
  Top Layer w0.6: R44.2 -30.549,27.985 U7.14 -28.789,26.663 -25.961,23.835 -3.471,23.835
NetR37_1: R37.1 R45.1 U7.8 | length 35.5
  Top Layer w0.6: R45.1 -30.549,35.605 U7.8 -28.289,35.605 -25.615,32.931 -25.615,26.592 -24.497,25.475 -3.065,25.475
NetR38_2: R38.2 R39.1 | length 1.4
  Top Layer w0.6: R39.1 R38.2
NetR41_1: R41.1 R42.2 T2.2 | length 10.4
  Top Layer w0.6: T2.2 R41.1 R42.2
NetR46_1: R46.1 R47.2 T3.2 | length 10.4
  Top Layer w0.6: T3.2 R46.1 R47.2
NetR51_2: R51.2 U8.1
OSC_IN: C10.1 U2.5 Z1.1 | length 6.8
  Top Layer w0.3: U2.5 11.707,3.322 11.912,3.527 13.976,3.527 14.182,3.732 Z1.1
  Top Layer w0.6: Z1.1 14.332,5.652 C10.1
OSC_OUT: R1.2 U2.6 | length 3.1
  Top Layer w0.3: U2.6 R1.2
SPI2_MISO: U2.35 XP1.3 XP1.30 | length 21.8
  Top Layer w0.3: U2.35 7.207,-8.178 7.412,-7.973 14.001,-7.973 14.206,-8.178 14.206,-11.574 17.595,-14.963 23.255,-14.963
SPI2_MOSI: U2.36 XP1.2 XP1.31 | length 18.6
  Top Layer w0.3: U2.36 7.707,-9.885 13.556,-15.734 22.956,-15.734
SPI2_NSS: U2.33 XP1.1 XP1.32 | length 20.2
  Top Layer w0.3: U2.33 6.207,-10.149 12.485,-16.428 22.563,-16.428
SPI2_SCK: U2.34 XP1.4 XP1.29 | length 22.4
  Top Layer w0.3: U2.34 6.707,-7.97 7.204,-7.473 14.209,-7.473 14.706,-7.97 14.706,-10.932 17.617,-13.843 23.609,-13.843
SWCLK: R2.2 U2.49 XP2.2 | length 5.9
  Top Layer w0.3: U2.49 R2.2
  Top Layer w0.6: R2.2 20.54,-6.923 21.11,-7.493 XP2.2
SWDIO: R3.1 U2.46 XP2.3 | length 10.5
  Top Layer w0.3: v1(12.707,-10.603) U2.46
  Top Layer w0.6: v1(17.707,-10.603) R3.1 20.54,-10.603 21.11,-10.033 XP2.3
  Bottom Layer w0.6: v1(12.707,-10.603) v1@17.679,-10.603
TIM3_CH1: C12.1 R49.2 U2.22 U7.1 | length 31.6
  Top Layer w0.3: 4.143,27.937 3.807,27.601 3.807,12.484 5.243,11.048 5.243,-1.923 U2.22
U_A: R4.1 XP3.3
U_B: R11.1 XP3.4
U_C: R19.1 XP3.5
VOLTAGE_IN_A+: R24.1 R25.1 R42.1 R43.1 R47.1 R48.1 T1.1 T2.1 T3.1 U3.3 U3.10 U3.12 U7.2 VD1.3 VD2.3 VD3.3 XP3.1 | length 116.8
  Top Layer w0.6: VD3.3 v1(-92.446,104.728) ; VD2.3 v1(-92.446,109.808) ; VD1.3 v1(-92.446,114.888) ; T1.1 R25.1 ; T2.1 R43.1 ; T3.1 R48.1 ; v2(-67.628,-6.694) R25.1 ; R24.1 R25.1 ; v2(-67.628,23.306) R43.1 ; R42.1 R43.1 ; v2(-67.628,53.306) R48.1 ; R47.1 R48.1 ; v1(-54.593,101.531) U3.12 ; v1(-54.593,104.071) U3.10 ; U3.3 v1(-45.693,101.531)
  Bottom Layer w0.6: v1(-92.446,104.728) v1(-92.446,109.808) v1(-92.446,114.888) ; -69.078,104.071 -58.011,104.071 ; v2(-67.628,-6.694) v2(-67.628,23.306) ; v1(-54.593,101.531) -57.603,101.531 -57.955,101.882 -57.955,104.015 -58.011,104.071 ; v1(-45.693,101.531) -45.693,104.071 v1(-54.593,104.071) -58.011,104.071
VOLTAGE_IN_A-: R5.1 R10.2 U3.2 VD1.1 VD1.2 | length 30.6
  Top Layer w0.6: R10.2 VD1.1 VD1.2 ; -63.96,110.505 -51.036,110.505 -49.404,108.873 -49.404,100.612 -49.053,100.261 U3.2 -45.683,100.261 R5.1
VOLTAGE_IN_C-: R18.2 R39.2 U3.9 VD3.1 VD3.2 | length 14.9
  Top Layer w0.6: R39.2 VD3.1 ; -66.413,105.276 R18.2 -54.603,105.341 U3.9
VOLTAGE_IN_D-: R16.2 R17.1 U3.13 VD2.1 VD2.2 | length 17
  Top Layer w0.6: R16.2 VD2.1 ; -68.589,100.326 R17.1 ; R17.1@-54.668,100.261 U3.13
pads on no net: U2.2 U2.3 U2.4 U2.8 U2.9 U2.10 U2.11 U2.14 U2.15 U2.17 U2.18 U2.19 U2.20 U2.28 U2.29 U2.30 U2.37 U2.38 U2.39 U2.40 U2.41 U2.42 U2.43 U2.44 U2.45 U2.47 U2.48 U2.50 U2.51 U2.52 U2.53 U2.54 U2.55 U2.56 U2.57 U2.58 U2.59 U2.61 U2.62 U3.5 U3.6 U3.7 U8.5 U8.6 U8.7 U8.8 U8.9 U8.10 U8.11 U8.13 U8.14 U8.15 U8.16 U8.17 U8.18 U8.19 U8.20 U8.21 U8.22 U8.23 XP1. XP1.5 XP1.6 XP1.7 XP1.8 XP1.13 XP1.14 XP1.15 XP1.16 XP1.17 XP1.18 XP1.19 XP1.20 XP1.25 XP1.26 XP1.27 XP1.28 XP3. XP3.2 XP3.6 XP3.7 XP3.8 XP3.9 XP3.10 XP3.11 XP3.12 Z1. Z1.5

## Polygon pours and split planes (outlines as drawn)
GND on Bottom Layer "NONET_L02_P002" (solid, shelved, pour order 2): 43.521,-6.997 57.031,-6.997 57.031,-24.791 43.521,-24.791
GND on Bottom Layer "NONET_L02_P000" (solid, shelved, pour order 0): 10.116,10.686 10.116,-4.461 -1.044,-4.461 -1.044,-15.681 -8.168,-15.681 -8.168,10.686
GND on Bottom Layer "NONET_L02_P001" (solid, shelved, pour order 1): -0.703,-16.17 -0.703,-5.206 10.557,-5.206 10.557,10.627 27.132,10.627 27.132,-16.17

## Keep-outs
Keep-Out Layer:
  lines w0.2: 43.175,89.192 cw(c43.175,101.692) 43.175,114.192 55.675,114.192 55.675,89.192 43.175,89.192
  lines w0.5: -113.196,-33.195 -113.196,128.227 70.804,128.227 70.804,-33.195 -113.196,-33.195

## Other copper
Top Layer:
  rectangle net +5V: 62.925,31.166 65.465,33.706
  rectangle net GND: 62.925,26.086 65.465,28.626

## Silkscreen, mask and mechanical layers (free items; w line width, h text height)
Top Overlay:
  lines w0.05: -108.196,19.576 -108.196,44.976 ; -108.196,32.276 -7.366,32.276 ; -103.071,65.296 -103.071,120.677 ; -73.653,14.776 -73.653,19.776 ; -73.653,44.776 -73.653,49.776 ; -67.628,2.001 -67.628,2.276 -67.386,2.276 ; -67.628,32.001 -67.628,32.276 -67.386,32.276 ; -67.628,62.001 -67.628,62.276 -67.386,62.276 ; -66.928,-5.619 -66.928,-5.344 -66.686,-5.344 ; -66.928,9.621 -66.928,9.896 -66.686,9.896 ; -66.928,24.381 -66.928,24.656 -66.686,24.656 ; -66.928,39.621 -66.928,39.896 -66.686,39.896 ; -66.928,54.381 -66.928,54.656 -66.686,54.656 ; -66.928,69.621 -66.928,69.896 -66.686,69.896 ; -56.109,99.626 -53.643,99.626 ; -56.109,105.976 -53.643,105.976 ; -54.668,99.436 -54.668,100.136 ; -54.668,105.786 -54.668,106.486 ; -54.243,106.911 -53.643,106.911 ; -53.643,105.341 -53.643,106.611 ; -46.643,99.626 -44.177,99.626 ; -45.618,99.436 -45.618,100.136 ; -30.856,28.62 -30.614,28.62 -30.614,28.345 ; -30.856,34.97 -30.614,34.97 -30.614,34.695 ; -21.564,28.345 -21.564,28.62 -21.321,28.62 ; -21.564,34.695 -21.564,34.97 -21.321,34.97 ; -1.706,0.952 -1.706,1.902 ; -1.518,-1.025 4.851,-1.025 ; 0.865,-2.548 0.865,-2.123 ; 0.865,-1.098 1.289,-1.098 ; 1.165,-2.248 1.911,-2.993 ; 1.289,-0.073 1.789,-0.073 ; 1.757,-1.977 2.257,-1.977 ; 1.789,0.051 2.289,0.051 2.789,0.051 ; 1.954,-3.059 2.308,-2.705 ; 1.986,-2.795 2.486,-2.795 ; 2.026,-2.424 2.38,-2.07 ; 2.257,-0.273 2.757,-0.273 3.257,-0.273 3.607,-0.273 ; 2.289,1.691 2.789,1.691 ; 2.402,-2.777 2.755,-2.424 3.109,-2.07 ; 2.612,-2.987 2.259,-3.341 2.613,-2.988 ; 2.8,1.691 3.541,1.691 ; 3.11,-2.32 4.088,-2.32 ; 3.359,-2.32 3.607,-2.073 ; 3.359,-1.32 3.607,-1.073 ; 3.359,-0.82 3.607,-0.573 ; 3.853,0.431 4.207,0.077 4.207,-0.423 ; 19.325,46.703 19.325,47.128 19.725,47.128 ; 57.225,1.166 57.225,46.166 57.225,88.956
  lines w0.1: -35.832,112.353 -34.382,112.353 ; 11.721,-10.603 13.836,-10.603 ; 12.707,-11.399 12.707,-9.698 ; 16.907,-2.65 16.907,-0.798 ; 17.332,1.027 18.782,1.027
  lines w0.2: -113.196,-28.195 70.804,-28.195 ; -113.196,123.227 70.804,123.227
  text "TI" at 55.804,-29.945 h1.5
  text "REV_0.1" at 55.804,-31.945 h1.5